# KiCad board HPM6E00EnetConnectTsnRevB.kicad_pcb (continued)
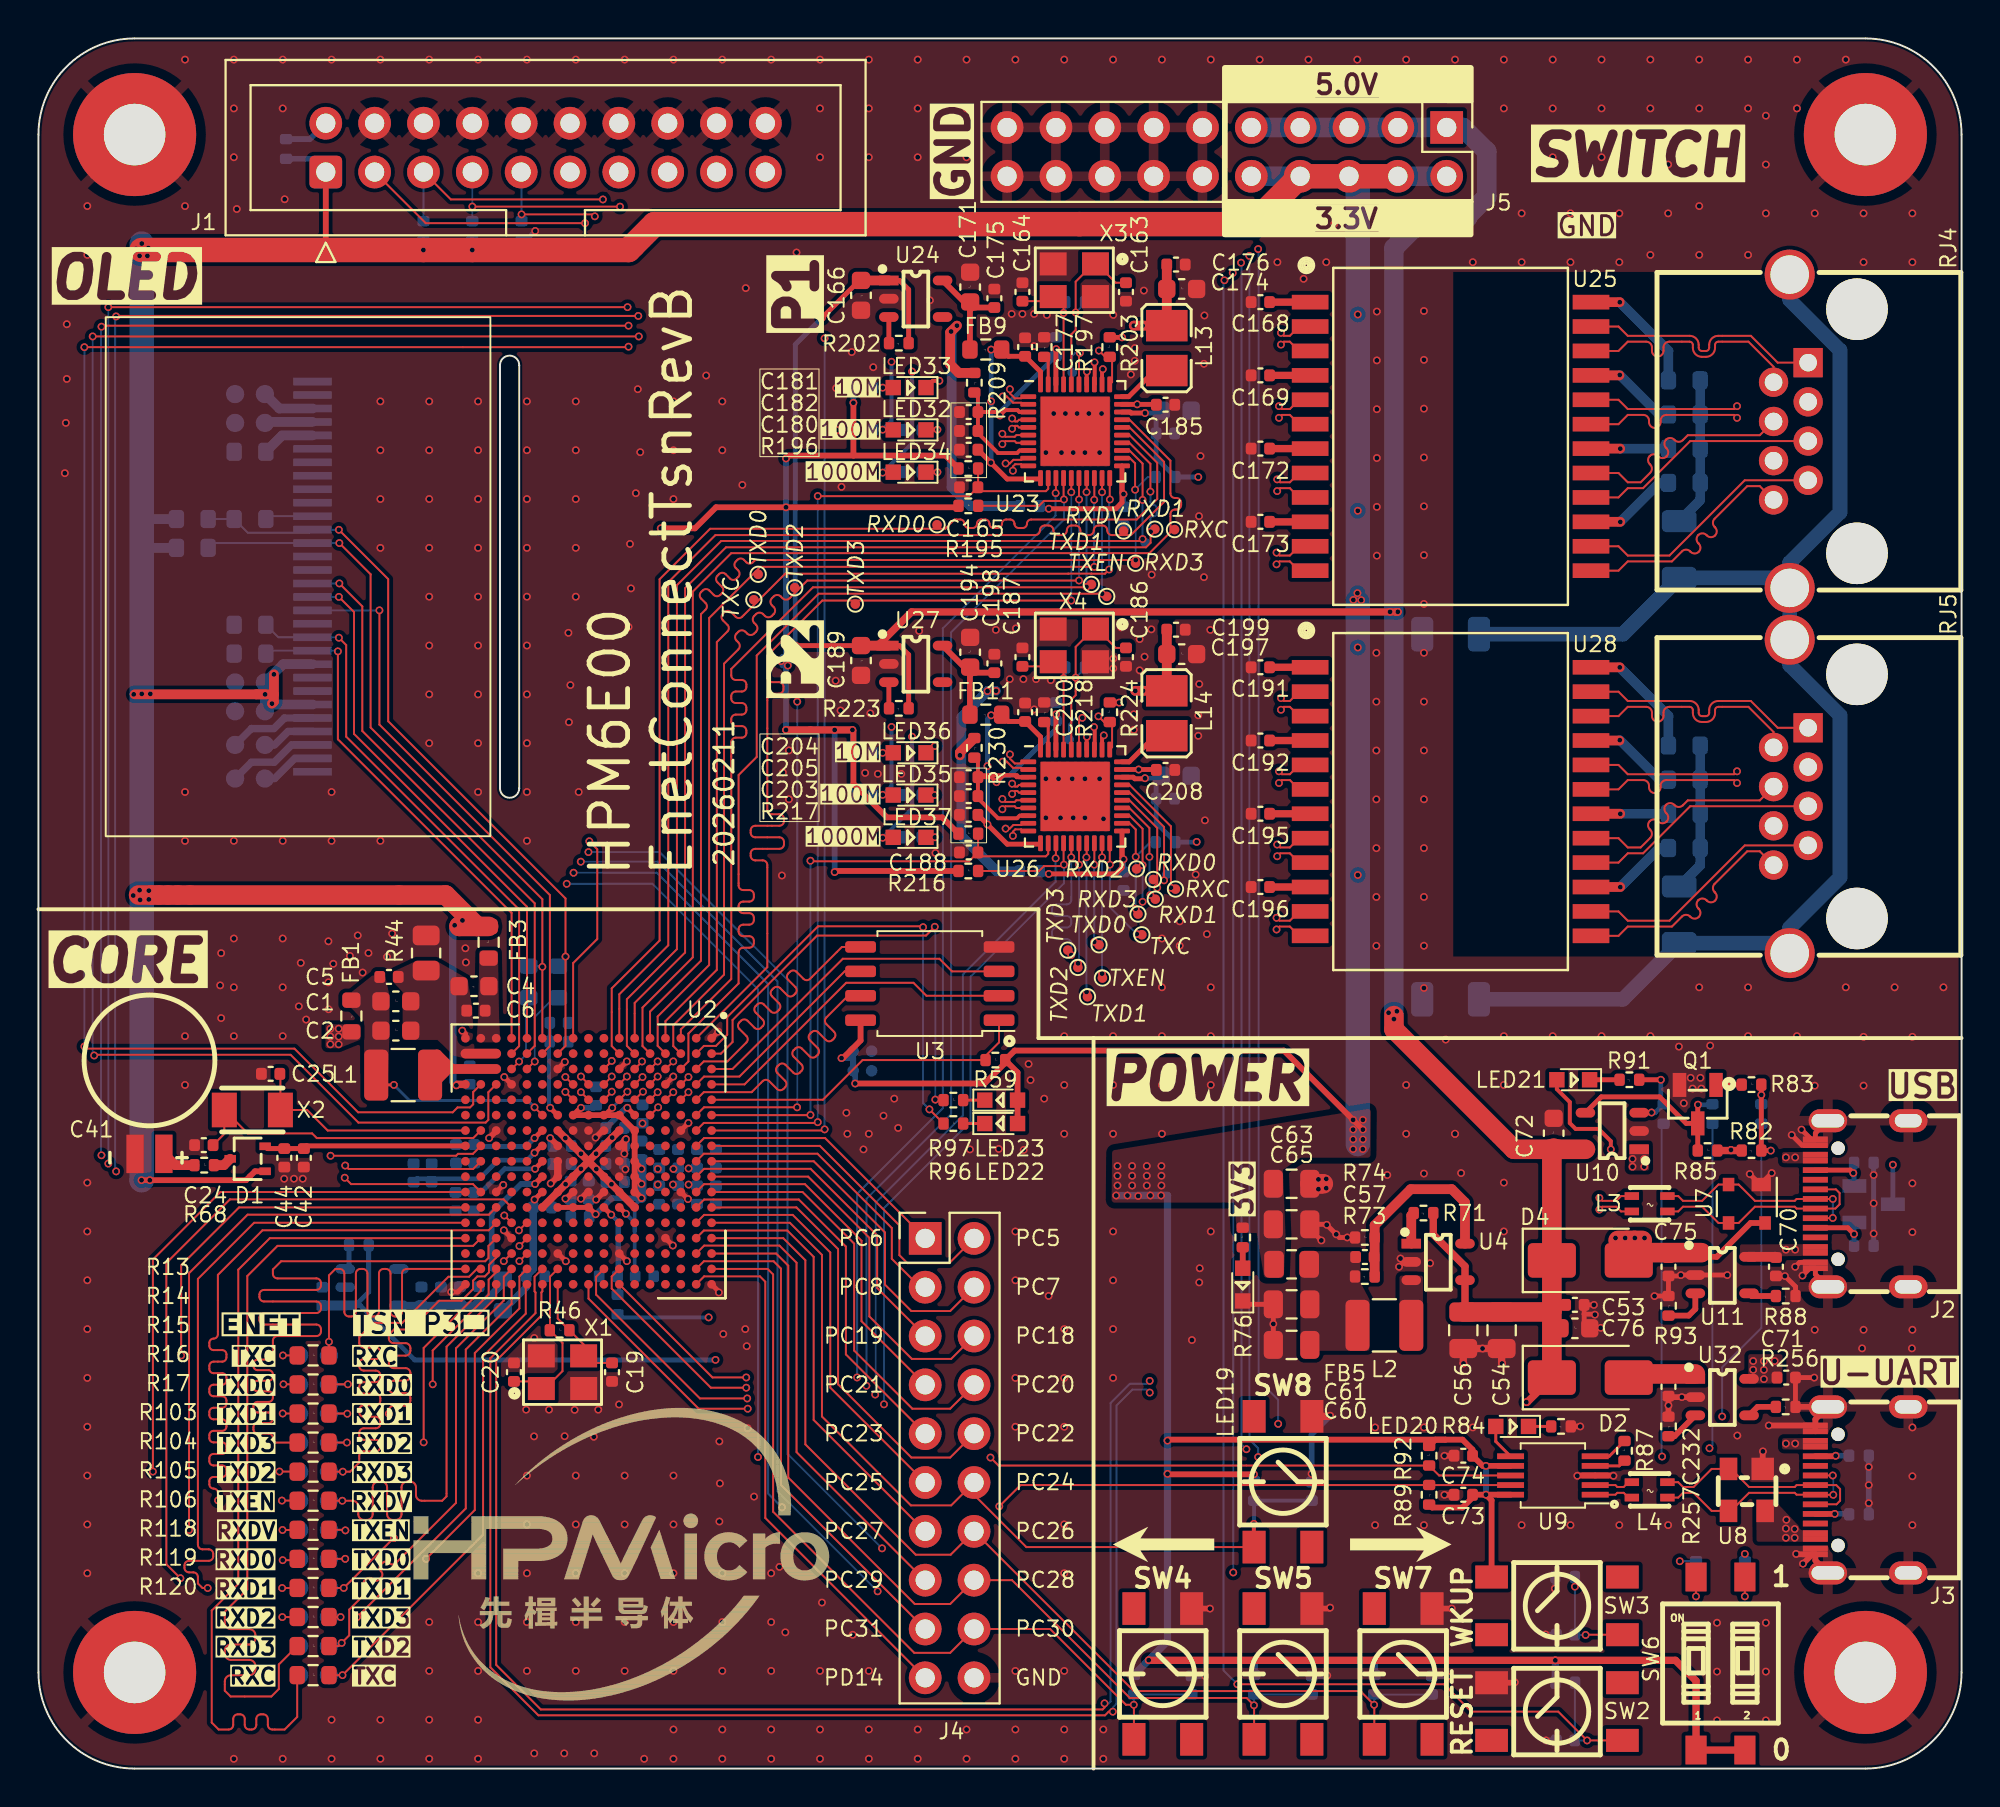
[diagram p0: board, top side]
## Routing (per net, layer and track width the routed paths; a pad name or vN(x,y) marks a point on that pad's centre or on a via; arc(x,y) is an arc through that point) (continued)
  POWER3 w0.102: v1(79.9,9.46) 79.16,10.2 v1(62.13,10.2) ; v1(31.22,74.5) 38.05,74.5 41.35,77.8 v1(62.1,77.8)
  Bottom w0.102: R50.2 v1(79.9,9.46) 79.9,6.97 C26.1 79.9,6.95 v1(80.45,6.95) ; v1(62.1,77.8) 62.13,77.77 v1(62.13,10.2) ; v1(2.9,37.09) 2.82,37.17 v1(2.82,74.5)
/HPM6E00EnetConnectTsnRevB/04-FlASH-PB/CS0: length 17.3
  Top w0.102: U3.1 49.95,37.77 49.03,36.86 42.86,36.86 40.79,34.79 U2.A5
/HPM6E00EnetConnectTsnRevB/04-FlASH-PB/D0: length 17.5
  Top w0.102: 34.2,36.39 34.6,36.79 35.83,36.79 36.81,37.77 arc(36.88,37.94) 36.81,38.11 36.45,38.48 arc(36.38,38.65) 36.45,38.82 36.53,38.9 arc(36.7,38.97) 36.87,38.9 37.24,38.54 arc(37.41,38.46) 37.58,38.54 37.66,38.62 arc(37.73,38.79) 37.66,38.96 37.29,39.32 arc(37.22,39.49) 37.29,39.66 37.38,39.75 arc(37.55,39.82) 37.72,39.75 38.08,39.38 arc(38.25,39.31) 38.42,39.38 38.51,39.47 arc(38.58,39.64) 38.51,39.81 38.14,40.17 arc(38.07,40.34) 38.14,40.51 38.23,40.6 arc(38.4,40.67) 38.57,40.6 38.93,40.23 arc(39.1,40.16) 39.27,40.23 39.36,40.32 arc(39.43,40.49) 39.36,40.66 38.99,41.02 arc(38.92,41.19) 38.99,41.36 39.08,41.45 arc(39.25,41.52) 39.42,41.45 39.78,41.08 arc(39.95,41.01) 40.12,41.08 41.78,42.74 U3.5
/HPM6E00EnetConnectTsnRevB/04-FlASH-PB/D1: length 17.5
  Top w0.102: 35.08,35.52 U2.A4 36.72,35.59 42,40.88 45.5,40.88 46.18,40.2 U3.2
/HPM6E00EnetConnectTsnRevB/04-FlASH-PB/D2: length 17.6
  Top w0.102: U2.A3 36.09,36.39 41.83,42.12 46.85,42.12 47.51,41.47 U3.3
/HPM6E00EnetConnectTsnRevB/04-FlASH-PB/D3: length 17.5
  Top w0.102: 34.2,34.79 34.6,35.19 37.09,35.19 37.66,35.76 arc(37.83,35.83) 38,35.76 38.4,35.35 arc(38.57,35.28) 38.74,35.35 38.83,35.44 arc(38.9,35.61) 38.83,35.78 38.42,36.18 arc(38.35,36.35) 38.42,36.52 38.51,36.61 arc(38.68,36.68) 38.85,36.61 39.25,36.2 arc(39.42,36.13) 39.59,36.2 39.67,36.29 arc(39.74,36.46) 39.67,36.63 39.27,37.03 arc(39.2,37.2) 39.27,37.37 39.36,37.46 arc(39.53,37.53) 39.69,37.46 40.1,37.05 arc(40.27,36.98) 40.44,37.05 40.52,37.14 arc(40.59,37.31) 40.52,37.48 40.12,37.88 arc(40.05,38.05) 40.12,38.22 40.2,38.3 arc(40.37,38.37) 40.54,38.3 40.95,37.9 arc(41.12,37.83) 41.29,37.9 41.37,37.99 arc(41.44,38.15) 41.37,38.32 40.97,38.73 arc(40.9,38.9) 40.97,39.07 42.1,40.2 U3.7
/HPM6E00EnetConnectTsnRevB/04-FlASH-PB/SCLK: length 11
  Top w0.102: 34.2,35.59 34.61,36 36.45,36 41.92,41.47 U3.6
/HPM6E00EnetConnectTsnRevB/10-USB-BOOT-KEY-LED/_+: length 11.5
  Top w0.102: v1(93.33,14.24) 92.41,14.24 J3.A6 91.42,14.25 91.33,14.34 88.95,14.34 88.01,13.4 U8.3 87.01,13.4 86.07,14.34 85.52,14.34 85.27,14.1 L4.1 ; v1(93.3,15.25) J3.B6
  Bottom w0.102: v1(93.33,14.24) 93.33,15.22 v1(93.3,15.25)
/HPM6E00EnetConnectTsnRevB/10-USB-BOOT-KEY-LED/_-: length 12
  Top w0.102: L4.4 85.27,14.9 85.52,14.65 86.07,14.65 87.01,15.59 U8.2 88.01,15.59 88.95,14.65 91.33,14.65 91.42,14.75 J3.A7 93.48,14.75 93.69,14.54 93.69,13.93 93.5,13.75 J3.B7
/HPM6E00EnetConnectTsnRevB/10-USB-BOOT-KEY-LED/UD+: length 2
  Top w0.102: L4.2 82.68,14.1 82.43,14.34 82.1,14.34 82,14.25 U9.1
/HPM6E00EnetConnectTsnRevB/10-USB-BOOT-KEY-LED/UD-: length 2
  Top w0.102: L4.3 82.68,14.9 82.43,14.65 82.1,14.65 82,14.75 U9.2
/HPM6E00EnetConnectTsnRevB/10-USB-BOOT-KEY-LED/USB0+: length 11.8
  Top w0.102: L3.1 85.27,28.98 85.52,29.23 86.51,29.23 87.36,28.38 U7.3 88.41,28.38 89.26,29.23 91.33,29.23 91.42,29.13 J2.A6 93.44,29.13 93.66,29.35 93.66,29.94 93.47,30.13 J2.B6
/HPM6E00EnetConnectTsnRevB/10-USB-BOOT-KEY-LED/USB0-: length 11.3
  Top w0.102: v1(93.3,29.63) 93.3,29.63 J2.A7 91.42,29.63 91.33,29.53 89.26,29.53 88.41,30.38 U7.2 87.36,30.38 86.51,29.53 85.52,29.53 85.27,29.78 L3.4 ; v1(93.3,28.64) 93.29,28.63 J2.B7
  Bottom w0.102: v1(93.3,29.63) v1(93.3,28.64)
/HPM6E00EnetConnectTsnRevB/12-TSN-P1/G1_DA+: length 13.1
  Top w0.102: RJ4.1 90.44,73.14 89.04,74.53 87.35,74.53 arc(87.02,74.39) 86.88,74.06 86.88,73.91 arc(86.83,73.79) 86.71,73.74 86.5,73.74 arc(86.38,73.79) 86.33,73.91 86.33,74.06 arc(86.19,74.39) 85.86,74.53 82.64,74.53 82.16,75.01 U25.23
/HPM6E00EnetConnectTsnRevB/12-TSN-P1/G1_DA-: length 13.1
  Top w0.102: RJ4.2 90.22,72.92 88.92,74.23 87.35,74.23 arc(87.23,74.18) 87.18,74.06 87.18,73.91 arc(87.04,73.58) 86.71,73.44 86.5,73.44 arc(86.17,73.58) 86.03,73.91 86.03,74.06 arc(85.98,74.18) 85.86,74.23 84.8,74.23 arc(84.59,74.14) 84.5,73.93 84.5,73.75 arc(84.41,73.54) 84.2,73.45 arc(83.99,73.54) 83.9,73.75 83.9,73.93 arc(83.81,74.14) 83.6,74.23 82.64,74.23 82.16,73.74 U25.22
/HPM6E00EnetConnectTsnRevB/12-TSN-P1/G1_DB+: length 11.6
  Top w0.102: U25.20 82.16,71.2 82.64,70.72 88.17,70.72 v1(88.33,70.87)
  POWER3 w0.102: RJ4.3 88.55,71.1 v1(88.33,70.87)
/HPM6E00EnetConnectTsnRevB/12-TSN-P1/G1_DB-: length 11.7
  Top w0.102: U25.19 82.16,69.93 82.64,70.42 83.45,70.42 arc(83.66,70.33) 83.75,70.12 83.75,70.04 arc(83.84,69.83) 84.05,69.74 arc(84.26,69.83) 84.35,70.04 84.35,70.12 arc(84.44,70.33) 84.65,70.42 88.17,70.42 v1(88.33,70.26)
  POWER3 w0.102: RJ4.6 90.22,68.36 88.33,70.26 v1(88.33,70.26)
/HPM6E00EnetConnectTsnRevB/12-TSN-P1/G1_DC+: length 12.5
  Top w0.102: U25.17 82.16,67.39 82.64,66.91 83.31,66.91 83.81,67.41 arc(83.9,67.62) 83.81,67.83 83.79,67.86 arc(83.7,68.07) 83.79,68.28 arc(84,68.37) 84.21,68.28 84.24,68.26 arc(84.45,68.17) 84.66,68.26 arc(84.75,68.47) 84.66,68.68 84.64,68.7 arc(84.55,68.92) 84.64,69.13 arc(84.85,69.22) 85.06,69.13 85.08,69.11 arc(85.3,69.02) 85.51,69.11 85.76,69.36 89.51,69.36 RJ4.4
/HPM6E00EnetConnectTsnRevB/12-TSN-P1/G1_DC-: length 12.5
  Top w0.102: U25.16 82.16,66.12 82.64,66.61 83.44,66.61 85.89,69.06 RJ4.5
/HPM6E00EnetConnectTsnRevB/12-TSN-P1/G1_DD+: length 13.1
  Top w0.102: RJ4.7 88.73,67.02 84.81,63.1 82.64,63.1 82.16,63.58 U25.14
/HPM6E00EnetConnectTsnRevB/12-TSN-P1/G1_DD-: length 13.1
  Top w0.102: U25.13 82.16,62.31 82.64,62.8 84.94,62.8 85.46,63.32 arc(85.67,63.41) 85.89,63.32 85.91,63.3 arc(86.12,63.21) 86.33,63.3 arc(86.42,63.51) 86.33,63.72 86.31,63.74 arc(86.22,63.96) 86.31,64.17 arc(86.52,64.26) 86.73,64.17 86.76,64.14 arc(86.97,64.06) 87.18,64.14 arc(87.27,64.36) 87.18,64.57 87.16,64.59 arc(87.07,64.8) 87.16,65.02 88.85,66.71 89.51,66.71 RJ4.8
/HPM6E00EnetConnectTsnRevB/12-TSN-P1/LED0: length 10.4
  Top w0.203: U23.32 55.31,72.76 v1(55.35,72.8) ; LED33.1 46.5,72.19 v1(46.85,72.19)
  POWER3 w0.203: v1(46.85,72.19) 54.74,72.19 v1(55.35,72.8)
/HPM6E00EnetConnectTsnRevB/12-TSN-P1/LED1: length 16.5
  Top w0.203: LED32.2 43.91,69.64 v1(43.9,69.65) ; v1(54.91,73.15) 54.92,73.14 54.92,72.02 U23.33
  POWER3 w0.203: v1(44.36,73.18) 54.89,73.18 v1(54.91,73.15)
  Bottom w0.203: v1(44.36,73.18) 44.36,70.11 v1(43.9,69.65) 43.41,69.65 R200.1
/HPM6E00EnetConnectTsnRevB/12-TSN-P1/LED2: length 16.2
  Top w0.203: v1(54.52,72.67) 54.51,72.66 U23.34 ; LED34.2 43.92,67.44 v1(43.9,67.41)
  POWER3 w0.203: v1(45.43,72.67) v1(54.52,72.67)
  Bottom w0.203: v1(45.43,72.67) 45.43,68.94 v1(43.9,67.41)
/HPM6E00EnetConnectTsnRevB/12-TSN-P1/MDI0N: length 19
  Top w0.102: U23.2 51.18,70.97 51.1,71.05 50.68,71.05 50.35,71.37 v1(50.14,71.37) ; U25.3 65.55,73.74 65.07,74.23 64.76,74.23 v1(64.61,74.07)
  POWER3 w0.102: v1(64.61,74.07) 64.46,74.23 63.25,74.23 60.4,71.37 v1(50.14,71.37)
/HPM6E00EnetConnectTsnRevB/12-TSN-P1/MDI0P: length 19
  Top w0.102: v1(64.61,74.68) 64.76,74.53 65.07,74.53 65.55,75.01 U25.2 ; U23.1 51.18,71.37 51.1,71.28 50.77,71.28 50.52,71.54 v1(50.52,71.75)
  POWER3 w0.102: v1(50.52,71.75) 50.59,71.68 60.27,71.68 61.48,72.89 arc(61.55,73.05) 61.48,73.22 arc(61.41,73.39) 61.48,73.55 61.57,73.64 arc(61.74,73.71) 61.9,73.64 arc(62.07,73.58) 62.23,73.64 63.12,74.53 64.46,74.53 v1(64.61,74.68)
/HPM6E00EnetConnectTsnRevB/12-TSN-P1/MDI1N: length 18.8
  Top w0.102: v1(64.51,70.26) 64.66,70.42 65.07,70.42 65.55,69.93 U25.6 ; 51.61,69.76 50.99,69.76 50.9,69.85 50.78,69.85 v1(50.63,69.7)
  POWER3 w0.102: v1(50.63,69.7) 50.75,69.81 60.51,69.81 arc(60.92,69.98) 61.09,70.39 61.09,70.69 arc(61.17,70.88) 61.36,70.96 arc(61.56,70.88) 61.64,70.69 61.64,70.39 arc(61.81,69.98) 62.21,69.81 62.77,69.81 63.37,70.42 64.35,70.42 v1(64.51,70.26)
/HPM6E00EnetConnectTsnRevB/12-TSN-P1/MDI1P: length 18.8
  Top w0.102: U25.5 65.55,71.2 65.07,70.72 64.66,70.72 v1(64.51,70.87) ; v1(50.63,70.23) 50.78,70.08 50.9,70.08 50.99,70.16 51.61,70.16
  POWER3 w0.102: v1(50.63,70.23) 50.75,70.12 60.51,70.12 arc(60.71,70.2) 60.79,70.39 60.79,70.69 arc(60.96,71.1) 61.36,71.27 arc(61.77,71.1) 61.94,70.69 61.94,70.39 arc(62.02,70.2) 62.21,70.12 62.64,70.12 63.25,70.72 64.35,70.72 v1(64.51,70.87)
/HPM6E00EnetConnectTsnRevB/12-TSN-P1/MDI2N: length 18.8
  Top w0.102: v1(64.41,66.45) 64.57,66.61 65.07,66.61 65.55,66.12 U25.9 ; U23.7 50.85,68.97 50.76,69.05 50.28,69.05 v1(50.12,68.9)
  POWER3 w0.102: v1(64.41,66.45) 64.26,66.61 63.62,66.61 61.21,69.01 50.24,69.01 v1(50.12,68.9)
/HPM6E00EnetConnectTsnRevB/12-TSN-P1/MDI2P: length 18.8
  Top w0.102: v1(64.41,67.06) 64.57,66.91 65.07,66.91 65.55,67.39 U25.8 ; U23.6 50.85,69.37 50.76,69.28 50.28,69.28 v1(50.12,69.43)
  POWER3 w0.102: v1(64.41,67.06) 64.26,66.91 63.75,66.91 61.34,69.32 50.24,69.32 v1(50.12,69.43)
/HPM6E00EnetConnectTsnRevB/12-TSN-P1/MDI3N: length 18.9
  Top w0.102: v1(64.38,62.64) 64.53,62.8 65.07,62.8 65.55,62.31 ; v1(50.67,67.51) 50.67,67.73 50.79,67.85 51.1,67.85 51.18,67.77 U23.10
  POWER3 w0.102: v1(50.67,67.51) 50.74,67.59 58.91,67.59 61.07,65.42 arc(61.14,65.26) 61.07,65.09 arc(61,64.92) 61.07,64.76 61.16,64.67 arc(61.33,64.6) 61.5,64.67 arc(61.66,64.73) 61.83,64.67 63.7,62.8 64.23,62.8 v1(64.38,62.64)
/HPM6E00EnetConnectTsnRevB/12-TSN-P1/MDI3P: length 19.4
  Top w0.102: v1(50.29,67.89) 50.51,67.89 50.7,68.08 51.1,68.08 51.18,68.17 U23.9 ; v1(64.38,63.25) 64.53,63.1 65.07,63.1 65.55,63.58 U25.11
  POWER3 w0.102: v1(64.38,63.25) 64.23,63.1 63.82,63.1 59.03,67.89 v1(50.29,67.89)
/HPM6E00EnetConnectTsnRevB/12-TSN-P1/REGOUT: length 2.9
  Top w0.254: 58.67,72.65 57.98,72.65 56.69,71.37 U23.30
/HPM6E00EnetConnectTsnRevB/13-TSN-P2/G1_DA+: length 13.1
  Top w0.102: RJ5.1 90.44,54.14 89.04,55.54 87.35,55.54 arc(87.02,55.4) 86.88,55.06 86.88,54.91 arc(86.83,54.8) 86.71,54.75 86.5,54.75 arc(86.38,54.8) 86.33,54.91 86.33,55.06 arc(86.19,55.4) 85.86,55.54 82.64,55.54 82.16,56.02 U28.23
/HPM6E00EnetConnectTsnRevB/13-TSN-P2/G1_DA-: length 13.1
  Top w0.102: U28.22 82.16,54.75 82.64,55.23 83.6,55.23 arc(83.81,55.14) 83.9,54.93 83.9,54.76 arc(83.99,54.54) 84.2,54.46 arc(84.41,54.54) 84.5,54.76 84.5,54.93 arc(84.59,55.14) 84.8,55.23 85.86,55.23 arc(85.98,55.18) 86.03,55.06 86.03,54.91 arc(86.17,54.58) 86.5,54.44 86.71,54.44 arc(87.04,54.58) 87.18,54.91 87.18,55.06 arc(87.23,55.18) 87.35,55.23 88.92,55.23 90.22,53.92 RJ5.2
/HPM6E00EnetConnectTsnRevB/13-TSN-P2/G1_DB+: length 11.6
  Top w0.102: U28.20 82.16,52.21 82.64,51.73 88.17,51.73 v1(88.33,51.88)
  POWER3 w0.102: RJ5.3 88.55,52.1 v1(88.33,51.88)
/HPM6E00EnetConnectTsnRevB/13-TSN-P2/G1_DB-: length 11.7
  Top w0.102: U28.19 82.16,50.94 82.64,51.42 83.45,51.42 arc(83.66,51.33) 83.75,51.12 83.75,51.04 arc(83.84,50.83) 84.05,50.74 arc(84.26,50.83) 84.35,51.04 84.35,51.12 arc(84.44,51.33) 84.65,51.42 88.17,51.42 v1(88.33,51.27)
  POWER3 w0.102: RJ5.6 90.22,49.37 88.33,51.26 v1(88.33,51.27)
/HPM6E00EnetConnectTsnRevB/13-TSN-P2/G1_DC+: length 12.5
  Top w0.102: U28.17 82.16,48.4 82.64,47.92 83.31,47.92 83.81,48.41 arc(83.9,48.62) 83.81,48.84 83.79,48.86 arc(83.7,49.07) 83.79,49.28 arc(84,49.37) 84.21,49.28 84.24,49.26 arc(84.45,49.17) 84.66,49.26 arc(84.75,49.47) 84.66,49.69 84.64,49.71 arc(84.55,49.92) 84.64,50.13 arc(84.85,50.22) 85.06,50.13 85.08,50.11 arc(85.3,50.02) 85.51,50.11 85.76,50.37 89.51,50.37 RJ5.4
/HPM6E00EnetConnectTsnRevB/13-TSN-P2/G1_DC-: length 12.5
  Top w0.102: U28.16 82.16,47.13 82.64,47.61 83.44,47.61 85.89,50.06 RJ5.5
/HPM6E00EnetConnectTsnRevB/13-TSN-P2/G1_DD+: length 13.1
  Top w0.102: RJ5.7 88.73,48.02 84.81,44.11 82.64,44.11 82.16,44.59 U28.14
/HPM6E00EnetConnectTsnRevB/13-TSN-P2/G1_DD-: length 13.1
  Top w0.102: RJ5.8 89.51,47.72 88.85,47.72 87.16,46.02 arc(87.07,45.81) 87.16,45.6 87.18,45.57 arc(87.27,45.36) 87.18,45.15 arc(86.97,45.06) 86.76,45.15 86.73,45.17 arc(86.52,45.26) 86.31,45.17 arc(86.22,44.96) 86.31,44.75 86.33,44.72 arc(86.42,44.51) 86.33,44.3 arc(86.12,44.21) 85.91,44.3 85.89,44.32 arc(85.67,44.41) 85.46,44.32 84.94,43.8 82.64,43.8 82.16,43.32 U28.13
/HPM6E00EnetConnectTsnRevB/13-TSN-P2/LED0: length 10.4
  Top w0.203: U26.32 55.31,53.66 v1(55.4,53.75) ; v1(46.62,53.19) 46.5,53.19 LED36.1
  POWER3 w0.203: v1(46.62,53.19) 54.85,53.19 v1(55.4,53.75)
/HPM6E00EnetConnectTsnRevB/13-TSN-P2/LED1: length 16.5
  Top w0.203: v1(54.89,54.18) 54.92,54.14 54.92,53.03 U26.33 ; LED35.2 43.91,50.64 v1(43.9,50.65)
  POWER3 w0.203: v1(54.89,54.18) 54.88,54.18 v1(44.36,54.18)
  Bottom w0.203: v1(44.36,54.18) 44.36,51.11 v1(43.9,50.65) 43.41,50.65 R221.1
/HPM6E00EnetConnectTsnRevB/13-TSN-P2/LED2: length 16.2
  Top w0.203: LED37.2 43.92,48.44 v1(43.9,48.42) ; v1(54.52,53.68) 54.51,53.67 U26.34
  POWER3 w0.203: v1(45.43,53.68) v1(54.52,53.68)
  Bottom w0.203: v1(43.9,48.42) 45.43,49.94 v1(45.43,53.68)
/HPM6E00EnetConnectTsnRevB/13-TSN-P2/MDI0N: length 19
  Top w0.102: v1(64.61,55.08) 64.76,55.23 65.07,55.23 65.55,54.75 U28.3 ; U26.2 51.18,51.97 51.1,52.06 50.68,52.06 50.35,52.38 v1(50.14,52.38)
  POWER3 w0.102: v1(64.61,55.08) 64.46,55.23 63.25,55.23 60.4,52.38 v1(50.14,52.38)
/HPM6E00EnetConnectTsnRevB/13-TSN-P2/MDI0P: length 19
  Top w0.102: U28.2 65.55,56.02 65.07,55.54 64.76,55.54 v1(64.61,55.69) ; U26.1 51.18,52.37 51.1,52.28 50.77,52.28 50.52,52.54 v1(50.52,52.76)
  POWER3 w0.102: v1(50.52,52.76) 50.59,52.68 60.27,52.68 61.48,53.89 arc(61.55,54.06) 61.48,54.22 arc(61.41,54.39) 61.48,54.56 61.57,54.65 arc(61.74,54.72) 61.9,54.65 arc(62.07,54.58) 62.23,54.65 63.12,55.54 64.46,55.54 v1(64.61,55.69)
/HPM6E00EnetConnectTsnRevB/13-TSN-P2/MDI1N: length 18.8
  Top w0.102: 51.61,50.77 50.99,50.77 50.9,50.85 50.78,50.85 v1(50.63,50.7) ; v1(64.51,51.27) 64.66,51.42 65.07,51.42 65.55,50.94 U28.6
  POWER3 w0.102: v1(50.63,50.7) 50.75,50.82 60.51,50.82 arc(60.92,50.98) 61.09,51.39 61.09,51.7 arc(61.17,51.89) 61.36,51.97 arc(61.56,51.89) 61.64,51.7 61.64,51.39 arc(61.81,50.98) 62.21,50.82 62.77,50.82 63.37,51.42 64.35,51.42 v1(64.51,51.27)
/HPM6E00EnetConnectTsnRevB/13-TSN-P2/MDI1P: length 18.8
  Top w0.102: U28.5 65.55,52.21 65.07,51.73 64.66,51.73 v1(64.51,51.88) ; v1(50.63,51.23) 50.78,51.08 50.9,51.08 50.99,51.17 51.61,51.17
  POWER3 w0.102: v1(64.51,51.88) 64.35,51.73 63.25,51.73 62.64,51.12 62.21,51.12 arc(62.02,51.2) 61.94,51.39 61.94,51.7 arc(61.77,52.1) 61.36,52.27 arc(60.96,52.1) 60.79,51.7 60.79,51.39 arc(60.71,51.2) 60.51,51.12 50.75,51.12 v1(50.63,51.23)
/HPM6E00EnetConnectTsnRevB/13-TSN-P2/MDI2N: length 18.8
  Top w0.102: U26.7 50.85,49.97 50.76,50.06 50.28,50.06 v1(50.12,49.9) ; v1(64.41,47.46) 64.57,47.61 65.07,47.61 65.55,47.13 U28.9
  POWER3 w0.102: v1(64.41,47.46) 64.26,47.61 63.62,47.61 61.21,50.02 50.24,50.02 v1(50.12,49.9)
/HPM6E00EnetConnectTsnRevB/13-TSN-P2/MDI2P: length 18.8
  Top w0.102: v1(50.12,50.44) 50.28,50.28 50.76,50.28 50.85,50.37 U26.6 ; U28.8 65.55,48.4 65.07,47.92 64.57,47.92 v1(64.41,48.07)
  POWER3 w0.102: v1(64.41,48.07) 64.26,47.92 63.75,47.92 61.34,50.32 50.24,50.32 v1(50.12,50.44)
/HPM6E00EnetConnectTsnRevB/13-TSN-P2/MDI3N: length 18.9
  Top w0.102: 65.55,43.32 65.07,43.8 64.53,43.8 v1(64.38,43.65) ; v1(50.67,48.52) 50.67,48.73 50.79,48.86 51.1,48.86 51.18,48.77 U26.10
  POWER3 w0.102: v1(50.67,48.52) 50.74,48.59 58.91,48.59 61.07,46.43 arc(61.14,46.26) 61.07,46.09 arc(61,45.93) 61.07,45.76 61.16,45.67 arc(61.33,45.6) 61.5,45.67 arc(61.66,45.74) 61.83,45.67 63.7,43.8 64.23,43.8 v1(64.38,43.65)
/HPM6E00EnetConnectTsnRevB/13-TSN-P2/MDI3P: length 19.4
  Top w0.102: U28.11 65.55,44.59 65.07,44.11 64.53,44.11 v1(64.38,44.26) ; v1(50.29,48.9) 50.51,48.9 50.7,49.08 51.1,49.08 51.18,49.17 U26.9
  POWER3 w0.102: v1(50.29,48.9) 59.03,48.9 63.82,44.11 64.23,44.11 v1(64.38,44.26)
/HPM6E00EnetConnectTsnRevB/13-TSN-P2/REGOUT: length 2.9
  Top w0.254: L14.1 58.08,53.73 56.72,52.37 U26.30
/HPM6E00EnetConnectTsnRevB/PA0: length 89.8
  Top w0.102: v1(27.4,35.97) 27.78,35.59 U2.K4 ; v1(49.96,13.64) 51.07,14.75 72.31,14.75 R89.1 72.32,14.75 U9.9
  POWER3 w0.102: 27.42,35.97 v1(27.4,35.97) 27.83,36.4 v1(27.83,46.6) ; v1(49.96,13.64) 38.71,13.64 v1(38.66,13.59)
  Bottom w0.102: v1(38.66,13.59) 37.95,14.3 37.95,40.8 32.15,46.6 v1(27.83,46.6)
/HPM6E00EnetConnectTsnRevB/PA1: length 88.2
  Top w0.102: v1(27.4,35.2) 27.8,34.8 U2.K5 ; v1(49.5,16.18) 49.92,15.76 R92.1 72.83,15.25 U9.8
  POWER3 w0.102: v1(49.5,16.18) 37.44,16.18 v1(37.41,16.21) ; v1(27.47,46.02) 26.62,45.17 26.62,35.98 v1(27.4,35.2)
  Bottom w0.102: v1(37.41,16.21) 37.41,40.54 31.93,46.02 v1(27.47,46.02)
/HPM6E00EnetConnectTsnRevB/PA2: length 102.2
  Top w0.102: v1(28.21,36) 28.6,35.6 U2.J4
  POWER3 w0.102: v1(85.35,10.79) 52.32,10.79 50.09,8.56 44.3,8.56 v1(43.64,9.22) ; 28.18,36.03 v1(28.21,36) 28.21,47.17 v1(28.2,47.17)
  Bottom w0.102: v1(28.2,47.17) 32.2,47.17 38.43,40.94 38.43,14.43 v1(43.64,9.22) ; R98.2 85.35,10.79 v1(85.35,10.79)
/HPM6E00EnetConnectTsnRevB/PA3: length 103.4
  Top w0.102: U2.J5 v1(28.21,35.19)
  POWER3 w0.102: v1(28.6,47.67) 28.68,47.6 28.68,35.65 v1(28.21,35.19) ; v1(43.87,11.46) 44.18,11.14 88.71,11.14 v1(88.73,11.17)
  Bottom w0.102: v1(28.6,47.67) 32.3,47.67 38.95,41.02 38.95,16.37 v1(43.87,11.46) ; R99.2 88.73,10.79 v1(88.73,11.17)
/HPM6E00EnetConnectTsnRevB/PA4: length 47
  Top w0.102: U2.H3 29.81,36.8 v1(29.81,36.81)
  POWER3 w0.102: v1(29.81,36.81) 29.81,82.68 J1.13
/HPM6E00EnetConnectTsnRevB/PA5: length 58.9
  Top w0.102: J1.5 21.45,81.62 v1(29.35,81.62) ; v1(29.81,36) U2.H4
  POWER3 w0.102: v1(29.81,36) 29.4,36.4 29.4,81.57 v1(29.35,81.62)
  Bottom w0.102: R55.2 J1.5 ; 29.3,81.67 v1(29.35,81.62)
/HPM6E00EnetConnectTsnRevB/PA6: length 52.9
  Top w0.102: U2.H5 29.81,35.2 v1(29.81,35.21) ; v1(28.93,80.75) 28.83,80.85 v1(25.12,80.85)
  POWER3 w0.102: v1(28.93,80.75) 29,80.68 29,36.02 v1(29.81,35.21)
  Bottom w0.102: R53.2 v1(25.12,80.85) 25.12,83.03 J1.9
/HPM6E00EnetConnectTsnRevB/PA7: length 57
  Top w0.102: v1(30.24,81.25) 22.56,81.25 v1(22.56,81.25) ; v1(30.62,35.21) 30.2,34.79
  POWER3 w0.102: v1(30.24,81.25) 30.24,35.59 v1(30.62,35.21)
  Bottom w0.102: R54.2 v1(22.56,81.25) J1.7
/HPM6E00EnetConnectTsnRevB/PA8: length 55.2
  Top w0.102: v1(28.64,48.23) 29.06,47.82 29.06,43.15 27.8,41.9 U2.K1 ; v1(28.42,80.39) 20.14,80.39 J1.3
  POWER3 w0.102: v1(28.64,48.23) 28.64,80.17 v1(28.42,80.39)
/HPM6E00EnetConnectTsnRevB/PA16: length 27.7
  Top w0.102: v1(15.57,58.12) 15.57,53.54 24.6,44.51 U2.P1
  Bottom w0.102: R3.2 11.98,58.15 DS1.10 15.54,58.15 v1(15.57,58.12)
/HPM6E00EnetConnectTsnRevB/PA17: length 29.8
  Top w0.102: v1(15.62,58.83) 16,58.45 16,53.68 24.99,44.69 24.99,37.58 U2.P2
  Bottom w0.102: v1(15.62,58.83) 15.6,58.85 DS1.11 12.48,58.85 R4.2
/HPM6E00EnetConnectTsnRevB/PA18: length 28.4
  Top w0.102: U2.N1 25.4,44.83 16.41,53.82 16.41,60.16 v1(15.62,60.95)
  Bottom w0.102: v1(15.62,60.95) DS1.14
/HPM6E00EnetConnectTsnRevB/PA19: length 30.2
  Top w0.102: U2.N2 25.81,37.59 25.81,45.01 16.84,53.97 16.84,60.46 v1(15.65,61.65)
  Bottom w0.102: v1(15.65,61.65) DS1.15
/HPM6E00EnetConnectTsnRevB/PA20: length 37.8
  Top w0.102: v1(15.65,63.75) 17.27,62.12 17.27,54.15 26.2,45.22 v1(26.2,41.71) 26.2,37.99
  Bottom w0.102: R1.1 26.17,41.74 v1(26.2,41.71) ; v1(15.65,63.75) DS1.18 9.08,63.75 R6.2
/HPM6E00EnetConnectTsnRevB/PA21: length 30.4
  Top w0.102: v1(17.73,60.25) 17.73,54.31 26.59,45.44 26.59,37.58 26.2,37.19
  Bottom w0.102: v1(17.73,60.25) DS1.13
/HPM6E00EnetConnectTsnRevB/PA23: length 40.1
  Top w0.102: v1(15.62,64.44) 18.19,61.87 18.19,54.48 27.41,45.26 v1(27.41,42.24) 27.41,37.59 U2.L2
  Bottom w0.102: v1(27.41,42.24) 27.03,41.86 R2.1 ; v1(15.62,64.44) 14.26,64.44 DS1.19 14.09,64.29 10.89,64.29 R5.1 R7.2
/HPM6E00EnetConnectTsnRevB/PA24: length 4.1
  Top w0.102: v1(24.99,36.78) 24.99,36.78 U2.P3
  Bottom w0.102: v1(24.99,36.78) 25.35,37.13 25.35,39.97 R1.2
/HPM6E00EnetConnectTsnRevB/PA25: length 4.5
  Top w0.102: U2.N3 25.79,36.78 v1(25.81,36.78)
  Bottom w0.102: v1(25.81,36.78) 25.81,39.09 26.81,40.09 R2.2
/HPM6E00EnetConnectTsnRevB/PB0: length 59
  Top w0.102: 30.2,37.99 30.2,40.28 32.75,42.83 32.75,61.71 35.2,64.16 51.83,64.16 arc(52,64.24) 52.08,64.41 arc(52.15,64.59) 52.33,64.66 52.53,64.66 arc(52.7,64.59) 52.78,64.41 arc(52.85,64.24) 53.03,64.16 53.23,64.16 arc(53.4,64.24) 53.48,64.41 arc(53.55,64.59) 53.73,64.66 53.93,64.66 arc(54.1,64.59) 54.18,64.41 arc(54.25,64.24) 54.43,64.16 54.63,64.16 arc(54.8,64.24) 54.88,64.41 arc(54.95,64.59) 55.13,64.66 55.33,64.66 arc(55.5,64.59) 55.58,64.41 arc(55.65,64.24) 55.83,64.16 56.8,64.16 58.53,65.89 58.53,67.97 56.74,69.77 U23.26
/HPM6E00EnetConnectTsnRevB/PB1: length 59.3
  Top w0.102: 30.2,37.19 29.81,37.58 29.81,40.58 32.3,43.08 32.3,61.87 34.93,64.49 47.15,64.49 47.64,64.98 47.93,64.98 arc(48.09,64.91) 48.15,64.75 arc(48.22,64.6) 48.37,64.53 48.58,64.53 arc(48.74,64.6) 48.8,64.75 arc(48.87,64.91) 49.02,64.98 49.23,64.98 arc(49.39,64.91) 49.45,64.75 arc(49.52,64.6) 49.67,64.53 49.88,64.53 arc(50.04,64.6) 50.1,64.75 arc(50.17,64.91) 50.32,64.98 50.53,64.98 arc(50.69,64.91) 50.75,64.75 arc(50.82,64.6) 50.97,64.53 51.18,64.53 arc(51.34,64.6) 51.4,64.75 arc(51.47,64.91) 51.62,64.98 57.11,64.98 58.18,66.04 58.18,67.92 56.73,69.37 U23.25
/HPM6E00EnetConnectTsnRevB/PB2: length 56.1
  Top w0.102: v1(57.82,66.42) 57.82,67.87 56.73,68.97 U23.24 ; U2.F1 31,39.83 33.62,42.45 33.62,61.4 35.75,63.53 57.59,63.53 57.83,63.77 v1(57.83,64.34)
  Bottom w0.102: v1(57.82,66.42) 57.82,65.9 arc(57.87,65.78) 57.99,65.74 arc(58.1,65.69) 58.15,65.57 58.15,65.3 arc(58.1,65.18) 57.99,65.14 arc(57.87,65.09) 57.82,64.97 57.82,64.35 v1(57.83,64.34)
/HPM6E00EnetConnectTsnRevB/PB3: length 56.1
  Top w0.102: U2.F2 30.6,37.6 30.6,40.02 33.2,42.62 33.2,61.56 35.5,63.86 57.31,63.86 v1(57.41,63.96) ; U23.23 56.73,68.57 57.41,67.88 v1(57.41,65.99)
  Bottom w0.102: v1(57.41,65.99) 57.41,63.96 v1(57.41,63.96)
/HPM6E00EnetConnectTsnRevB/PB4: length 57.4
  Top w0.102: v1(57.06,62.87) 37.27,62.87 37.15,62.75 arc(36.98,62.68) 36.81,62.75 36.68,62.88 arc(36.51,62.95) 36.34,62.88 36.26,62.79 arc(36.19,62.62) 36.26,62.45 36.39,62.33 arc(36.46,62.16) 36.39,61.99 36.3,61.9 arc(36.13,61.83) 35.96,61.9 35.73,62.13 arc(35.56,62.2) 35.39,62.13 35.31,62.05 arc(35.24,61.88) 35.31,61.71 35.54,61.48 arc(35.61,61.31) 35.54,61.14 35.45,61.05 arc(35.28,60.98) 35.11,61.05 34.88,61.29 arc(34.71,61.36) 34.54,61.29 34.46,61.2 arc(34.39,61.03) 34.46,60.86 34.69,60.63 arc(34.76,60.46) 34.69,60.29 34.45,60.05 34.45,42.02 31.8,39.38 U2.E1 ; U23.22 56.76,68.17 57.03,67.9 v1(57.03,66.52)
  Bottom w0.102: v1(57.06,62.87) 57.06,66.49 v1(57.03,66.52) 57.69,67.19 R194.2
/HPM6E00EnetConnectTsnRevB/PB5: length 59.2
  Top w0.102: U23.27 56.73,70.17 58.86,68.04 58.86,66.33 arc(58.93,66.16) 59.1,66.09 59.18,66.09 arc(59.35,66.02) 59.42,65.85 59.42,65.73 arc(59.35,65.56) 59.18,65.49 59.1,65.49 arc(58.93,65.42) 58.86,65.25 58.86,64.32 57.77,63.22 36.03,63.22 34.03,61.22 34.03,42.2 31.41,39.58 31.41,37.58 U2.E2
/HPM6E00EnetConnectTsnRevB/PB6: length 49.7
  Top w0.102: U23.20 55.71,66.02 v1(55.71,66.02) ; U2.D1 32.6,38.88 35.28,41.55 35.28,58.6 35.83,59.15 arc(35.9,59.32) 35.83,59.49 35.59,59.73 arc(35.52,59.9) 35.59,60.07 35.67,60.16 arc(35.84,60.23) 36.01,60.16 36.25,59.92 arc(36.42,59.85) 36.59,59.92 38.83,62.16 53.55,62.16 53.55,62.16 54.75,62.16 54.75,62.16 55.46,62.16 v1(55.68,62.38)
  Bottom w0.102: v1(55.68,62.38) 55.68,65.98 v1(55.71,66.02)
/HPM6E00EnetConnectTsnRevB/PB7: length 49.7
  Top w0.102: U23.18 54.91,66.01 v1(54.9,66) ; v1(54.9,62.51) 37.54,62.51 34.88,59.85 34.88,41.8 32.2,39.12 32.2,37.6 U2.D2
  Bottom w0.102: v1(54.9,66) 54.9,62.51 v1(54.9,62.51)
/HPM6E00EnetConnectTsnRevB/PB8: length 49.7
  Top w0.102: v1(54.5,66.4) 54.51,66.41 U23.17 ; v1(54.49,61.47) 54.47,61.45 40.27,61.45 36.03,57.2 36.03,56.87 arc(36.1,56.7) 36.27,56.63 36.57,56.63 arc(36.74,56.56) 36.81,56.39 36.81,56.27 arc(36.74,56.1) 36.57,56.03 36.27,56.03 arc(36.1,55.96) 36.03,55.79 36.03,55.67 arc(36.1,55.5) 36.27,55.43 36.57,55.43 arc(36.74,55.36) 36.81,55.19 36.81,55.07 arc(36.74,54.9) 36.57,54.83 36.27,54.83 arc(36.1,54.76) 36.03,54.59 36.03,54.47 arc(36.1,54.3) 36.27,54.23 36.57,54.23 arc(36.74,54.16) 36.81,53.99 36.81,53.87 arc(36.74,53.7) 36.57,53.63 36.27,53.63 arc(36.1,53.56) 36.03,53.39 36.03,41.07 33.4,38.45 U2.C1
  Bottom w0.102: v1(54.49,61.47) 54.5,61.48 v1(54.5,66.4)
/HPM6E00EnetConnectTsnRevB/PB9: length 49.7
  Top w0.102: U2.C2 33.01,37.58 33.01,38.66 35.65,41.3 35.65,57.47 36.39,58.22 arc(36.47,58.4) 36.39,58.58 36.3,58.68 arc(36.22,58.86) 36.3,59.04 36.39,59.13 arc(36.58,59.21) 36.76,59.13 36.85,59.04 arc(37.04,58.97) 37.22,59.04 37.31,59.14 arc(37.39,59.32) 37.31,59.5 37.22,59.59 arc(37.14,59.78) 37.22,59.96 37.31,60.05 arc(37.5,60.13) 37.68,60.05 37.77,59.96 arc(37.95,59.89) 38.14,59.96 38.23,60.06 arc(38.31,60.24) 38.23,60.42 38.14,60.51 arc(38.06,60.7) 38.14,60.88 38.23,60.97 arc(38.41,61.05) 38.6,60.97 38.69,60.88 arc(38.87,60.81) 39.06,60.88 39.98,61.8 54.11,61.8 v1(54.11,61.8) ; v1(54.11,66.02) 54.11,66.02 U23.16
  Bottom w0.102: v1(54.11,61.8) 54.11,61.81 v1(54.11,66.02)
